# Altium PCB GPS_MODULE_ZED-F9T.PcbDoc (continued)
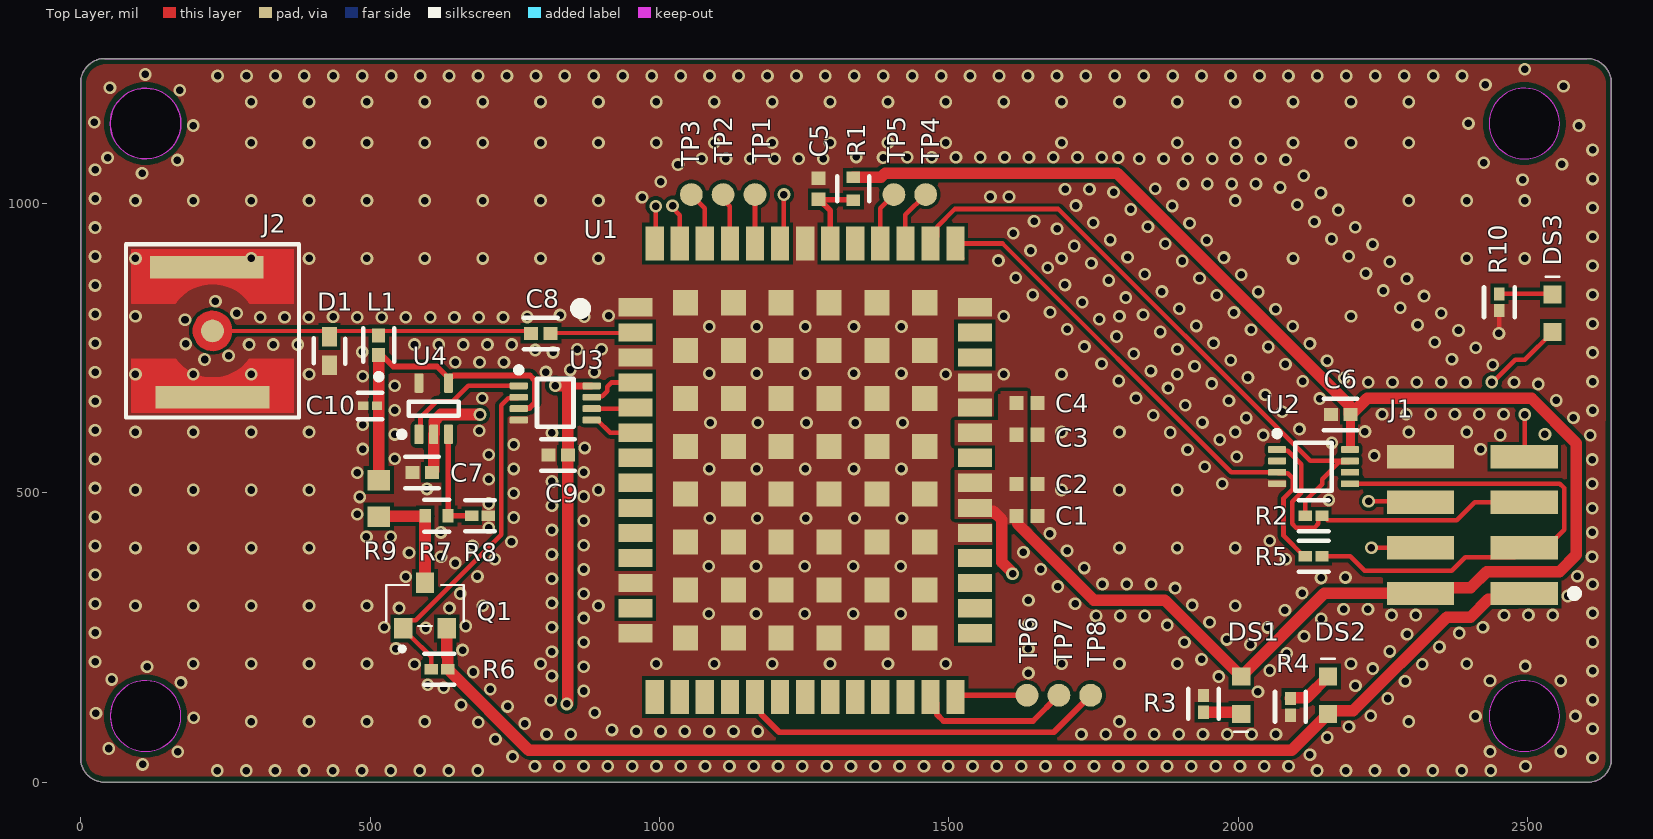
[diagram p0: Top Layer view]
## Part data (continued)
L1: library part CMP-06042-015783-1, "Multilayer type RF Inductor 47nH ±5% 0.72Ω 300mA 0402", Case Code (Imperial)=0402, Case Code (Metric)=1005, Current Rating=200mA, DC Resistance (DCR)=720mR, Inductance=47nH, Max Operating Temperature=125°C, Min Operating Temperature=-55°C, Package Quantity=1, Self Resonant Frequency=1GHz, Test Frequency=100MHz, Tolerance=5%, Case/Package=0402, Core Material=Air, DC Current=200mA, Depth=0.55mm, Height=0.5mm, Height - Seated (Max)=0.022inch, Lead Free="Lead Free", Length=1mm, Max DC Current=200mA, Military Standard=Not, Mount="Surface Mount", Packaging="Tape and Reel", Q Factor=8, Radiation Hardening=No, Rated Current-Max=200mA, Series=LQG15HS, Shielding=Unshielded, Termination=SMD/SMT, Width=0.02inch
Q1: library part XQR-CMP-00012-1, "MOSFET, P-CH, 8VDS, 3.7A ID, 0.052 OHM RDS(ON)@4.5VGS/3.5A, SOT-23-3", Case/Package="TO-236-3, SC-59, SOT-23-3", Current - Continuous Drain (Id) @ 25°C="3.7A (Ta)", Drain to Source Voltage (Vdss)="8 V", Drive Voltage (Max Rds On, Min Rds On)="1.8V, 4.5V", Input Capacitance (Ciss) (Max) @ Vds="1173 pF @ 4 V", Internal Part Number=839-00735-00, Manufacturer=onsemi, Manufacturer Part Number=NTR2101PT1G, Max Operating Temperature=150°C, Min Operating Temperature=-55°C, Power Dissipation (Max)="960mW (Ta)", Supplier Part Number 1=NTR2101PT1GOSCT-ND, CATEGORY="FETs, MOSFETs - Single", Datasheet URL=https://www.digikey.com/en/products/detail/onsemi/ntr2101pt1g/687095, FET Type=P-Channel, Mounting Type="Surface Mount", Rds On (Max) @ Id, Vgs="52mOhm @ 3.5A, 4.5V", RoHS=Yes, Supplier 1=Digikey, Technology="MOSFET (Metal Oxide)"
R1 R7: library part CMP-26527-000026-1, "1kΩ ±1% 0.063W 0402 Thick Film Chip Resistor AEC-Q200 compliant", Case Code (Imperial)=0402, Case Code (Metric)=1005, Max Operating Temperature=155°C, Max Power Dissipation=63mW, Min Operating Temperature=-55°C, Resistance=1kR, Resistor Type="Thick Film", Temperature Coefficient=100ppm/°C, Tolerance=1%, Case/Package=0402, Construction=Rectangular, Contact Plating=Tin, Depth=0.5mm, Features="Automotive AEC-Q200", Height=0.016inch, Lead Free="Lead Free", Length=1mm, Military Standard=Not, Mount="Surface Mount", Number of Terminations=2, Packaging="Tape and Reel", Power Rating=63mW, Radiation Hardening=No, RoHS Compliant=Yes, Series=RMCF, Size Code=0402, Width=0.02inch
R2 R3 R4 R5 R10: library part CMP-26527-000128-1, "10kΩ ±1% 0.063W 0402 Thick Film Chip Resistor AEC-Q200 compliant", Case Code (Imperial)=0402, Case Code (Metric)=1005, Max Operating Temperature=155°C, Max Power Dissipation=63mW, Min Operating Temperature=-55°C, Power Rating=62.5mW, Resistance=10kR, Resistor Type="Thick Film", Temperature Coefficient=100ppm/°C, Tolerance=1%, Case/Package=0402, Construction=Rectangular, Contact Plating=Tin, Depth=0.5mm, Features="Automotive AEC-Q200", Height=0.016inch, Lead Free="Lead Free", Length=1mm, Military Standard=Not, Mount="Surface Mount", Number of Terminations=2, Packaging="Tape and Reel", Radiation Hardening=No, RoHS Compliant=Yes, Series=RMCF, Size Code=0402, Width=0.02inch
R6 R8: library part CMP-2000-06984-2, "100kΩ ±1% 0.063W 0402 Thick Film Chip Resistor AEC-Q200 compliant", Case Code (Imperial)=0402, Case Code (Metric)=1005, Max Operating Temperature=155°C, Max Power Dissipation=63mW, Min Operating Temperature=-55°C, Power Rating=62.5mW, Resistance=100kR, Resistor Type="Thick Film", Temperature Coefficient=100ppm/°C, Tolerance=1%, Case/Package=0402, Construction=Rectangular, Contact Plating=Tin, Depth=0.5mm, Features="Automotive AEC-Q200", Height=0.016inch, Lead Free="Lead Free", Length=1mm, Military Standard=Not, Mount="Surface Mount", Number of Terminations=2, Packaging="Tape and Reel", Radiation Hardening=No, RoHS Compliant=Yes, Series=RMCF, Size Code=0402, Width=0.02inch
R9: library part RES-CMP-00725-3, "RES, 25 OHM, 2%, 1.5W, 150PPM/C, 0603", Case/Package="0603 (1608 Metric)", Internal Part Number=822-00198-00, Manufacturer=Vishay, Manufacturer Part Number=RCP0603W25R0GEB, Max Operating Temperature=155°C, Min Operating Temperature=-65°C, Power (Watts)=1.5W, Resistance=25, Supplier Part Number 1=541-2654-1-ND, Temperature Coefficient=±150ppm/°C, Tolerance=±2%, CATEGORY="Chip Resistor - Surface Mount", Composition="Thick Film", Datasheet URL=https://www.digikey.com/en/products/detail/vishay-dale/RCP0603W25R0GEB/5481868?s=N4IgTCBcDaIEoGEAKAGAbCgzAdTAVjhQHEBRAIRAF0BfIA, Features="Moisture Resistant", Height="0.023\" (0.58mm)", RoHS=Yes, Series=RCP, Size / Dimension="0.063\" L x 0.032\" W (1.60mm x 0.81mm)", Supplier 1=Digikey
TP1 TP2 TP3 TP4 TP5 TP6 TP7 TP8: library part TPS-CMP-00004-3, "TEST POINT, PC, SMT, 1.00MM DIA", CATEGORY="Test Points", Mounting Type="1.00mm Dia Pad", Size / Dimension="1.00mm Dia Pad", Type="PC Test Point, Surface Mount"
U1: library part GPS_ZED-F9T, "Multi-band GNSS Receiver with Nanosecond-level Timing Accuracy", Case/Package=SMD/SMT, Manufacturer=u-blox, Max Operating Temperature=85°C, Min Operating Temperature=-40°C, Supplier Part Number 1=672-1197-1-ND, CATEGORY="RF Receivers, Transceivers", ComponentLink1Description=https://www.u-blox.com/sites/default/files/ZED-F9T_ProductSummary_%28UBX-18011626%29.pdf?src-supplier=Digi-Key, ComponentLink1URL=https://www.u-blox.com/sites/default/files/ZED-F9T_ProductSummary_%28UBX-18011626%29.pdf?src-supplier=Digi-Key, Interface=I2C,SPI,USB,UART, Manufacturer Part Number=ZED-F9T-00B, Packaging="Tape and Reel", Pricing 1="1=199.00000, 10=198.80000, 50=180.89020 (USD)", RoHS=Yes, Sensitivity=-166dBm, Stock 1=826, Supplier 1=Digi-Key
U2 U3: library part CMP-0859-00615-3, "Triple Buffer/Driver With Open-Drain Output, DCU0008A, LARGE T&R", F @ Nom Voltage(Max)(Mhz)=150, Generic Part Number=SN74LVC3G07, ICC @ Nom Voltage(Max)(mA)=0.01, Manufacturer="Texas Instruments", Operating Temperature Range(C)="-40 to 125,-40 to 85", Rating=Catalog, tpd @ Nom Voltage(Max)(ns)=8.3,4.8,4.2,3.4, Voltage(Nom)(V)=1.8,2.5,3.3,5, 3-State Output=No, Bits(#)=3, DatasheetVersion=SCES365K, Input Type=CMOS/TTL, Logic=True, Output Drive (IOL/IOH)(Max)(mA)=32/-32, Output Type=CMOS, PackageReference=DCU0008A, Schmitt Trigger=No, Sub-Family="Non-Inverting Buffer/Driver", Technology Family=LVC, VCC(Max)(V)=5.5, VCC(Min)(V)=1.65
U4: library part CMP-0055-01065-3, "micropower Rail-to-Rail Input and Output Operational Amplifier, 5-pin SC-70, Pb-Free", Manufacturer="Texas Instruments", Package Reference=DCK0005A, PackageTopMarking=A91*XTT, PowerWise=Y, Code_IPC=SOT353-5, Code_JEDEC=MO-203-AA, Code_JEITA=SC-88A, ComponentLink1Description="Datasheet URL", ComponentLink1URL=http://www.ti.com/general/docs/lit/getliterature.tsp?genericPartNumber=LPV511&fileType=pdf, CompType=Amplifiers, PackageDescription="Molded SC-70, 2 x 1.25 x .9mm, 5 Lead, 0.65mm Pitch", PinCount=5, RoHS=Y

## Via types
v1: diameter 22, hole 13, Top Layer to Bottom Layer, tented both sides, 698 vias
v2: diameter 22, hole 13, Top Layer to Bottom Layer, 1 vias

## Nets (pads, with @x,y where several pads share a name; then routed paths per layer and width w, separated by ;. In a path a pad name is that pad's centre, name@x,y a point inside that pad or via, vN(x,y) a via of type N, cw(c..) or ccw(c..) an arc to the next point about the centre after c; other vN are vias at no path point)
ANT_DET: U1.4 U3.7 | length 90.5
  Top Layer w8: U3.7 884.9,666.75 901.28,666.75 909.74,675.21 909.74,683.12 916.86,690.24 U1.4
ANT_OFF: U1.5 U3.6 | length 76.1
  Top Layer w8: U3.6 956.61,645.16 U1.5
ANT_SHORT_N: U1.6 U3.5 | length 84.4
  Top Layer w8: U3.5 892.83,625.47 914.69,603.62 U1.6
GND: C1.2 C2.2 C3.2 C4.2 C5.2 C6.2 C7.2 C9.2 C10.2 D1.1 J1.8 J2.2 J2.3 R3.1 R4.1 R8.1 R10.1 U1.1 U1.3 U1.12 U1.14 U1.32 U1.37 U1.38 U1.41 U1.48 U1.55 U2.4 U3.4 U4.5 | length 39.6
  Top Layer w8: v1@2451,775 R10.1
  other v1: 236,20 286,20 336,20 386,20 436,20 486,20 536,20 586,20 636,20 686,20 2136,20 2186,20 2236,20 2286,20 2336,20 2386,20 2436,20 784.86,27.47 826.86,27.47 868.86,27.47 910.86,27.47 952.86,27.47 994.86,27.47 1036.86,27.47 1078.86,27.47 1120.86,27.47 1162.86,27.47 1204.86,27.47 1246.86,27.47 1288.86,27.47 1330.86,27.47 1372.86,27.47 1414.86,27.47 1456.86,27.47 1498.86,27.47 1540.86,27.47 1582.86,27.47 1624.86,27.47 1666.86,27.47 1708.86,27.47 1750.86,27.47 1792.86,27.47 1834.86,27.47 1876.86,27.47 1918.86,27.47 1960.86,27.47 2002.86,27.47 2044.86,27.47 2086.86,27.47 2496.13,27.58 107.13,30.58 2612,42 746.31,44.15 2123.82,47.41 167.96,52.57 2434.99,52.8 2557.2,52.99 48.57,58.04 716.61,73.85 2153.52,77.11 804.93,82.53 846.93,82.53 1728.93,82.53 1770.93,82.53 1812.93,82.53 1854.93,82.53 1896.93,82.53 1938.93,82.53 1980.93,82.53 2022.93,82.53 2064.93,82.53 959.93,87.53 1001.93,87.53 1043.93,87.53 1085.93,87.53 1127.93,87.53 1169.93,87.53 918.02,90.17 2612,92 2191.16,95.74 767.25,101.08 686.91,103.55 294.67,104.59 394.67,104.59 494.67,104.59 594.67,104.59 1794.67,104.59 2294.67,104.59 195.42,111.13 2409.58,113.87 2228.64,114.71 2582.42,114.13 26.58,118.87 888.32,119.87 737.55,130.77 657.22,133.24 812.38,141.35 2612,142 2258.34,144.4 2033.99,155.95 869.4,157.37 707.85,160.47 627.52,162.94 2202.43,166.37 599.78,168.37 173.43,171.96 2288.03,174.1 2434.8,175.01 2557.01,175.2 54.04,177.43 1966.32,182.23 814.34,183.31 1637.53,188.28 678.15,190.17 2612,192 2054.22,192.76 2232.13,196.06 114.87,199.42 869.4,199.37 2495.87,200.42 576.84,203.55 2317.73,203.8 194.67,204.59 294.67,204.59 394.67,204.59 494.67,204.59 794.67,204.59 994.67,204.59 1094.67,204.59 1194.67,204.59 1294.67,204.59 1394.67,204.59 1494.67,204.59 1694.67,204.59 1794.67,204.59 1894.67,204.59 2194.67,204.59 2394.67,204.59 25,208 1936.62,211.93 2083.91,222.46 814.34,225.31 2261.83,225.76 659.93,228.01 544.69,230.58 1637.53,230.28 2347.43,233.5 2021.09,237.5 869.4,241.37 1906.92,241.63 2612,242 1980.04,246.37 2113.61,252.16 2291.53,255.46 25,258 2381.92,257.47 596.5,266.22 524.52,267.42 814.34,267.31 2050.79,267.2 2422.68,267.61 665.48,269.64 1877.22,271.33 1637.53,272.28 1950.34,276.07 2143.31,281.86 869.4,283.37 1754.24,286.96 1796.24,286.96 1838.24,286.96 2264.71,288.57 2306.71,288.57 2459.18,288.38 2501.18,288.57 2543.18,288.57 1085,291 1167,291 1251,291 1335,291 1417,291 2612,292 2080.49,296.9 2181.89,298.46 2223.89,298.46 550.16,300.68 637.18,300.68 94.67,304.59 194.67,304.59 294.67,304.59 394.67,304.59 494.67,304.59 694.67,304.59 894.67,304.59 1994.67,304.59 1920.64,305.77 25,308 1717.97,308.15 814.34,309.31 1637.53,314.28 2569.3,321.46 655.9,325.61 869.4,325.37 2110.19,326.6 1890.71,335.23 1688.27,337.85 1765.26,342.02 1807.26,342.02 1849.26,342.02 2612,342 814.34,351.31 2143.04,352.77 2185.03,353.51 561.92,354.52 685.6,355.31 2585.94,355.64 25,358 869.4,367.37 1658.58,367.55 1733.96,370.02 1085,373 1167,373 1251,373 1335,373 1417,373 647.37,378.36 715.3,385.01 2081.92,385.14 622.53,389.21 2611.16,389.22 814.34,393.31 567.47,396.15 1628.88,397.24 1704.26,399.72 94.67,404.59 194.67,404.59 294.67,404.59 394.67,404.59 1794.67,404.59 1894.67,404.59 1994.67,404.59 25,408 677.07,408.06 869.4,409.37 744.42,415.27 2054.22,416.71 493.73,423.77 535.73,423.66 1674.56,429.42 622.53,431.21 2611.5,431.22 814.34,435.31 705.17,439.27 869.4,451.37 1087,456 1169,456 1253,456 1337,456 1419,456 748.49,457.07 25,458 477.98,462.7 2611.5,473.22 814.34,477.31 705.17,481.27 2156.13,487.47 482.37,492.55 869.4,493.37 748.49,499.07 94.67,504.59 194.67,504.59 294.67,504.59 394.67,504.59 894.67,504.59 1694.67,504.59 1794.67,504.59 1894.67,504.59 598.41,506.4 25,508 1972.17,515.27 2611.5,515.22 814.34,519.31 705.17,523.27 477.98,534.32 869.4,535.37 748.49,541.07 1086,541 1168,541 1252,541 1336,541 1418,541 1942.05,544.54 25,558 2611.5,557.22 542.53,558.59 1997.52,561.88 2235,564 705.17,565.27 1912.35,574.24 2418.49,574.84 487.47,575.23 871.11,577.33 748.49,583.07 2161.38,585.86 1967.82,591.58 2607.84,599.06 2043.3,599.43 2452.41,599.62 542.53,600.59 2529.7,600.96 814.34,603.22 1882.66,603.94 94.67,604.59 194.67,604.59 294.67,604.59 394.67,604.59 1694.67,604.59 1794.67,604.59 1994.67,604.59 2294.67,604.59 2394.67,604.59 2218.73,605.63 688.6,606.78 25,608 2105.67,609.87 487.47,617.23 1088,621 1170,621 1254,621 1338,621 1420,621 1938.12,621.28 2013.6,629.13 2578.97,629.56 1852.96,633.64 2248.28,635.47 2290.28,635.47 2332.28,635.47 2374.28,635.47 2416.28,635.47 2458.28,635.47 2075.97,639.57 2612,642 542.53,642.59 1908.42,650.98 25,658 1983.9,658.83 2549.27,659.26 2140.88,662.62 693.67,663.16 1823.26,663.34 2046.27,669.26 1878.73,680.68 542.53,684.59 2518.27,687.6 1954.2,688.53 2224.38,690.53 2266.38,690.53 2308.38,690.53 2350.38,690.53 2392.38,690.53 2476.38,690.53 2612,692 1793.56,693.04 2111.18,692.31 2016.57,698.96 2183.1,698.26 487.47,701.19 94.67,704.59 194.67,704.59 294.67,704.59 394.67,704.59 1494.67,704.59 1594.67,704.59 1694.67,704.59 1894.67,704.59 1086,706 1168,706 1252,706 1336,706 1418,706 25,708 887.64,707.93 804,708.38 1849.03,710.38 845.84,711.99 1924.5,718.22 2439.79,720.85 2081.48,722.01 1763.86,722.73 647.29,725.18 689.29,725.18 731.29,725.18 2153.4,727.96 1986.87,728.66 214.13,730.05 2369.05,730.32 255.66,736.31 1819.33,740.07 2612,742 816.26,742.32 486.4,743.17 785.66,746.4 857.9,747.76 899.9,747.76 1894.81,747.92 2410.09,750.55 2051.78,751.71 1734.16,752.43 291.04,755.91 333.04,755.91 375.04,755.91 576.85,755.91 618.85,755.91 660.85,755.91 702.85,755.91 744.85,755.91 181.79,756.84 25,758 2123.7,757.66 1957.18,758.36 2339.35,760.02 1789.63,769.77 2450.18,775 1865.11,777.62 2380.39,780.24 2022.08,781.41 1704.47,782.13 1086,787 1168,787 1252,787 1336,787 1418,787 1927.48,788.06 2094,787.36 2309.65,789.72 2612,792 180.38,798.82 1759.93,799.47 310.36,803.15 352.36,803.15 394.36,803.15 436.21,803.67 478.06,803.15 520.05,803.15 561.87,803.15 603.87,803.15 645.87,803.15 687.87,803.15 729.87,803.15 771.42,803.6 870.18,804.09 94.67,804.59 1594.67,804.59 1794.67,804.59 2194.67,804.59 912.16,805.41 828.27,806.83 25,808 1835.41,807.32 269.49,809.77 2350.69,809.94 1674.77,811.83 1992.38,811.11 2064.3,817.05 1897.78,817.76 2279.95,819.41 1730.23,829.17 232.98,830.53 1805.71,837.02 2320.99,839.64 1962.69,840.81 1645.07,841.53 2612,842 2034.6,846.75 1868.08,847.45 2250.25,849.11 25,858 1700.53,858.87 1776.01,866.72 2291.3,869.34 1932.99,870.51 1615.37,871.23 2004.9,876.45 1838.38,877.15 2220.55,878.81 1670.84,888.57 2612,892 1746.31,896.42 2261.6,899.04 1585.67,900.93 1903.29,900.2 94.67,904.59 294.67,904.59 394.67,904.59 494.67,904.59 594.67,904.59 694.67,904.59 794.67,904.59 894.67,904.59 1694.67,904.59 2094.67,904.59 2394.67,904.59 2494.67,904.59 1808.68,906.85 1975.21,906.15 25,908 2190.85,908.51 1641.14,918.27 1716.61,926.11 2231.9,928.74 1873.59,929.9 1945.51,935.85 1778.99,936.55 2161.16,938.21 2612,942 1611.44,947.96 1686.92,955.81 25,958 2202.2,958.44 1843.89,959.6 1915.81,965.55 1749.29,966.25 2131.46,967.91 1647.13,969 2172.5,988.13 1814.19,989.3 2612,992 1719.59,995.95 1886.11,995.25 2101.76,997.61 94.67,1004.59 194.67,1004.59 294.67,1004.59 394.67,1004.59 494.67,1004.59 594.67,1004.59 694.67,1004.59 794.67,1004.59 894.67,1004.59 1994.67,1004.59 2294.67,1004.59 2394.67,1004.59 2494.67,1004.59 25,1008 969.91,1010.38 1571.88,1011.26 1603.88,1011.26 2142.8,1017.83 1784.49,1019 1700.81,1024.16 1742.81,1024.16 1856.41,1024.94 2072.06,1027.3 1904.5,1033.34 1946.5,1033.34 1988.5,1033.34 2030.5,1033.34 1002.36,1037.04 2491.13,1040.58 2612,1042 2113.1,1047.53 106.13,1051.58 25,1058 1032.06,1066.73 2559.15,1067.21 2424.21,1069.85 167.37,1074.57 2081.63,1075.34 1072.87,1076.66 1114.87,1076.66 1156.87,1076.66 1198.87,1076.66 1240.87,1076.66 1282.87,1076.66 1828.87,1076.66 1870.87,1076.66 1912.87,1076.66 1954.87,1076.66 1996.87,1076.66 2038.87,1076.66 46.57,1078.63 1386.23,1078.84 1792.41,1078.88 1340,1080 1428.23,1079.21 1470.23,1079.21 1512.23,1079.21 1554.23,1079.21 1596.23,1079.21 1638.23,1079.21 1680.23,1079.21 1722.23,1079.21 1764.23,1079.21 2612,1092 294.67,1104.59 394.67,1104.59 494.67,1104.59 594.67,1104.59 694.67,1104.59 794.67,1104.59 894.67,1104.59 994.67,1104.59 1094.67,1104.59 1194.67,1104.59 1294.67,1104.59 1394.67,1104.59 1494.67,1104.59 1694.67,1104.59 1894.67,1104.59 1994.67,1104.59 2094.67,1104.59 2194.67,1104.59 2294.67,1104.59 194.42,1134.13 2588.42,1134.13 2397.58,1137.87 23.58,1139.87 294.67,1175 394.67,1175 494.67,1175 594.67,1175 694.67,1175 794.67,1175 894.67,1175 994.67,1175 1094.67,1175 1194.67,1175 1294.67,1175 1394.67,1175 1494.67,1175 1594.67,1175 1694.67,1175 1794.67,1175 1894.67,1175 1994.67,1175 2094.67,1175 2194.67,1175 2294.67,1175 171.43,1195.37 50.63,1199.43 2561.79,1202.15 2426.85,1204.79 236.61,1220 286.61,1220 336.61,1220 386.61,1220 436.61,1220 486.61,1220 536.61,1220 586.61,1220 636.61,1220 686.61,1220 736.61,1220 786.61,1220 836.61,1220 886.61,1220 936.61,1220 986.61,1220 1036.61,1220 1086.61,1220 1136.61,1220 1186.61,1220 1236.61,1220 1286.61,1220 1336.61,1220 1386.61,1220 1436.61,1220 1486.61,1220 1536.61,1220 1586.61,1220 1636.61,1220 1686.61,1220 1736.61,1220 1786.61,1220 1836.61,1220 1886.61,1220 1936.61,1220 1986.61,1220 2036.61,1220 2086.61,1220 2136.61,1220 2186.61,1220 2236.61,1220 2286.61,1220 2336.61,1220 2386.61,1220 111.87,1222.42 2494.87,1231.42
NetC5_1: C5.1 R1.1 U1.47 | length 144.2
  Top Layer w10: C5.1 1275.79,1006.1 C5.1@1276.18,1006.1 ; U1.47 1295,987.28 C5.1@1276.18,1006.1 ; R1.1 1334.21,1006.1 C5.1@1276.18,1006.1
NetC10_1: C10.1 L1.1 R9.2 U3.3 U4.4 | length 588.4
  Top Layer w10: L1.1@515,743.13 515,742.28 521.27,736.01 522.11,736.01 540.1,718.02 615.72,718.02 U4.4@635.59,698.15 ; U4.4 U4.4@635.59,698.15 ; U3.3 757.91,646.06 775.71,646.06 784.76,655.11 784.76,694.26 776.58,702.43 644.32,702.43 642.91,701.02 638.46,701.02 U4.4@635.59,698.15
  Top Layer w20: R9.2 515,650 L1.1@515,736.01
NetDS1_K: DS1.K R3.2 | length 65.6
  Top Layer w20: R3.2@1940.7,120.65 2001.87,120.65 DS1.K
NetDS2_K: DS2.K R4.2 | length 81.2
  Top Layer w20: R4.2 2090,145.13 2090.7,145.83 2118.35,145.83 DS2.K
NetDS3_K: DS3.K R10.2 | length 92.4
  Top Layer w8: R10.2 2542.09,843.39 DS3.K
NetQ1_1: Q1.1 R6.1 U3.2 | length 588
  Top Layer w8: R6.1 605.61,216.3 570,251.91 569.35,251.91 557.6,263.66 Q1.1 557.6,267.6 569.35,279.35 579,279.35 726.83,427.18 726.83,651.05 738.72,662.94 755.1,662.94 U3.2
NetQ1_3: Q1.3 R7.2 R9.1 | length 195.9
  Top Layer w20: R9.1 515.75,459.25 595.16,459.25 595.32,459.41 595.32,458.35 595,458.03 Q1.3
NetR7_1: R7.1 R8.2 U4.3 | length 182
  Top Layer w10: R7.1 R7.1@635.59,460 ; U4.3 635.14,600.26 635.14,460.45 R7.1@635.59,460 ; R8.2 R7.1@635.59,460
NetTP1_1: TP1.1 U1.50 | length 84.6
  Top Layer w8: TP1.1 1165,930.47 U1.50
NetTP2_1: TP2.1 U1.51 | length 89.5
  Top Layer w8: TP2.1 1110,1006.51 1121.77,994.74 U1.51
NetTP3_1: TP3.1 U1.52 | length 94.3
  Top Layer w8: TP3.1 1078.46,991.54 U1.52
NetTP4_1: TP4.1 U1.44 | length 99.1
  Top Layer w8: U1.44 1424.92,979.92 TP4.1
NetTP5_1: TP5.1 U1.45 | length 94.3
  Top Layer w8: U1.45 1381.61,991.61 TP5.1
NetTP6_1: TP6.1 U1.27 | length 138.5
  Top Layer w10: U1.27@1511.54,160.71 U1.27 1514.61,150 TP6.1
NetTP7_1: TP7.1 U1.26 | length 268.5
  Top Layer w10: U1.26 1478.98,136.18 1478.98,117.24 1490.82,105.4 1645.4,105.4 TP7.1
NetTP8_1: TP8.1 U1.19 | length 642.8
  Top Layer w10: U1.19 1165.08,133.15 1175.83,122.4 1175.83,117.24 1207.07,86 1681,86 TP8.1
NetU3_1: U3.1 U4.1 | length 222.6
  Top Layer w8: U4.1 587.13,603.43 587.13,629.44 615.25,657.56 642.87,657.56 669.84,684.53 U3.1
RF_ANT: C8.2 D1.2 J2.1 L1.2 | length 552
  Top Layer w7: J2.1 C8.2@773.6,779.53
  Top Layer w13.24: C8.2@773.6,779.53 C8.2
RF_IN: C8.1 U1.2 | length 148
  Top Layer w5.83: U1.2@956.54,775 U1.2@957.46,775.93
  Top Layer w7: C8.1@812.8,775.93 U1.2@955.61,775.93
  Top Layer w13.24: C8.1 C8.1@812.8,775.93 ; U1.2@955.61,775.93 U1.2@956.54,775 ; U1.2@957.46,775.93 U1.2
RST: J1.4 U1.49 | length 1439.9
  Top Layer w8: U1.49 1215,937.01 v1(1215,1015) ; v1@2230.14,404.86 J1.4@2314.63,404.86
  Top Layer w20: v1(2230,405) v1@2230.14,404.86 ; J1.4@2314.63,404.86 J1.4
  Int2 (GND) w8: v1(1215,1015) 1510,1015 2120,405 v1(2230,405)
RXD: R2.1 U1.43 U2.7 | length 1076.5
  Top Layer w8: U1.43 1479.98,942.14 1479.98,959.67 1510.31,990 1689.13,990 2124.29,554.84 2174.7,554.84 U2.7 2191.09,552.94 2174.7,552.94 2144.72,522.95 2144.72,514.69 2115.61,485.58 R2.1
RXD_IN: J1.5 R2.2 U2.1 | length 594.6
  Top Layer w8: U2.1 2068.91,572.62 2085.3,572.62 2108.76,549.16 2108.76,499.94 2093.17,484.35 2093.17,446.14 2099.61,439.7 2131.6,439.7 2138.05,446.14 2138.05,454.7 2143.35,460 R2.2 2146.53,460 2154.14,452.39 2377.39,452.39 2408.47,483.46 J1.5
TP1: J1.6 U1.53 | length 1608.9
  Top Layer w8: v1(1022.69,995.61) 1022.69,991.82 1035.16,979.35 U1.53 ; v1(2225,485) 2313.23,485 J1.6
  Int2 (GND) w8: v1(1022.69,995.61) 1064.07,1037 1643,1037 2195,485 v1(2225,485)
TP2: DS3.A J1.7 U1.54 | length 1981.2
  Top Layer w8: U1.54 993.69,932.24 v1(993.69,994.97) ; v1(2438,691) 2439.64,691 2478.36,729.73 2495.21,729.73 DS3.A ; J1.7 2495,563.31 v1(2495,635)
  Int2 (GND) w8: v1(993.69,994.97) 993.69,997.73 1050.96,1055 2075,1055 v1(2495,635)
TXD: R5.2 U1.42 U2.3 | length 938.6
  Top Layer w8: U1.42@1523.28,904.87 1511.54,916.61 U1.42 1592.61,930.39 1987.84,535.16 U2.3 2068.91,533.25 2085.3,533.25 2093.76,524.79 2093.76,506.15 2078.17,490.57 2078.17,425.3 2113.47,390 R5.2
TXD_OUT: J1.3 R5.1 U2.5 | length 903.6
  Top Layer w8: R5.1 2193.11,390 2218.11,365 2368.75,365 2392.39,388.65 2477.82,388.65 J1.3 2531.89,404.72 2562.97,435.8 2562.97,508.1 2555.6,515.47 U2.5
VCC: C1.1 C2.1 C3.1 C4.1 C6.1 C7.1 C9.1 DS1.A J1.2 R1.2 U1.33 U1.34 U1.36 U2.8 U3.8 U4.2 | length 5095.7
  Top Layer w10: 834.06,684.53 841.87,684.53
  Top Layer w12: 841.87,684.53 U3.8
  Top Layer w15: U2.8@2193.75,579.59 C6.1@2193.75,634.62
  Top Layer w20: C7.1 607.72,535 608.99,536.27 608.99,537.11 610,538.13 U4.2 610.72,601.43 610.72,623.33 622.39,635 v1(690,635) ; v2(820,685) 841.4,685 841.87,684.53 841.87,591.25 842.09,591.03 842.09,565.22 C9.1 v1@841.87,135 ; R1.2 1382.8,1044.68 1389.8,1051.69 1790.74,1051.69 2191.63,650.79 2191.63,636.27 2192.9,635 C6.1 ; U1.33 1550.75,467.95 1576.76,467.95 1591.7,453.01 1591.7,379.84 1610,361.54 v1(1610,360) ; C1.1 1618.7,458.19 1618.7,446.35 1750.56,314.49 1872.99,314.49 DS1.A 2148.5,325.98 J1.2 2324.84,336.06 2401.79,336.06 2429.18,363.46 2554.83,363.46 2583.97,392.6 2583.97,585.63 2506.6,663 2222.59,663 2194.21,634.62 2193.75,634.62 C6.1@2193.37,634.62
  Int2 (GND) w20: v1(690,635) 770,635 v2(820,685) ; v1(840,135) 840,129.25 909.25,60 1590,60 1610,80 v1(1610,360)
VCC_ANT: DS2.A J1.1 Q1.2 R6.2 | length 2101.2
  Top Layer w20: Q1.2 632.4,217.91 634.05,216.27 634.05,195.34 774.39,55 2092.48,55 2149.25,111.77 DS2.A 2160.75,123.27 2198.27,123.27 2360,285 2401.14,285 2432.04,315.91 2483.82,315.91 J1.1
pads on no net: U1.7 U1.8 U1.9 U1.10 U1.11 U1.13 U1.15 U1.16 U1.17 U1.18 U1.20 U1.21 U1.22 U1.23 U1.24 U1.25 U1.28 U1.29 U1.30 U1.31 U1.35 U1.39 U1.40 U1.46 U2.2 U2.6

## Polygon pours and split planes (outlines as drawn)
no net on Top Solder "Top Solder-No Net" (solid, pour order 5): 2336.26,1050.51 ccw(c2410.59,1053.77) 2410.59,979.37 2632.72,979.37 2632.72,1210.74 ccw(c2602.68,1207.85) 2602.68,1238.03 2336.26,1238.03
no net on Top Solder "Top Solder-No Net" (solid, pour order 7): 11.85,40.34 ccw(c41.97,41.81) 41.97,11.65 269.33,11.65 269.33,220.51 ccw(c216.57,217.47) 216.57,270.32 11.85,270.32
no net on Top Solder "Top Solder-No Net" (solid): 2337.08,11.24 2337.08,203.95 cw(c2406.56,200.32) 2406.56,269.9 2633.53,269.9 2633.53,39.12 cw(c2603.26,41.62) 2603.26,11.24
no net on Top Solder "Top Solder-No Net" (solid, pour order 1): 11.85,979.37 11.85,1208.07 cw(c41.85,1208.03) 41.85,1238.03 269.33,1238.03 269.33,1062.24 cw(c177.52,1071.66) 177.52,979.37
no net on Bottom Solder "Bottom Solder-No Net" (solid, pour order 26): 2336.26,1050.51 ccw(c2410.59,1053.77) 2410.59,979.37 2632.72,979.37 2632.72,1210.74 ccw(c2602.68,1207.85) 2602.68,1238.03 2336.26,1238.03
no net on Bottom Solder "Bottom Solder-No Net" (solid, pour order 22): 2336.26,11.65 2336.26,204.37 cw(c2405.75,200.73) 2405.75,270.32 2632.72,270.32 2632.72,39.54 cw(c2602.44,42.03) 2602.44,11.65
no net on Bottom Solder "Bottom Solder-No Net" (solid, pour order 20): 11.85,40.34 ccw(c41.97,41.81) 41.97,11.65 269.33,11.65 269.33,220.51 ccw(c216.57,217.47) 216.57,270.32 11.85,270.32
no net on Bottom Solder "Bottom Solder-No Net" (solid, pour order 11): 11.85,979.37 11.85,1208.07 cw(c41.85,1208.03) 41.85,1238.03 269.33,1238.03 269.33,1062.24 cw(c177.52,1071.66) 177.52,979.37
GND on Top Layer "GND_L01_P034" (solid, remove dead copper, pour order 34): -20,1265 2660,1265 2660,-15 -20,-15
VCC on Top Layer "VCC_L01_P033" (solid, pour order 33): 1515,620 1585,620 1585,670 1630,670 1630,450 1646,434 1580,455.1 1515,455.1 1515,535 1580,535 1580,585 1515,585
VCC on Top Layer "VCC_L01_P031" (solid, pour order 31): 1510,530 1635,530 1635,675 1590,675 1590,625 1510,625
VCC on Top Layer "VCC_L01_P028" (solid, pour order 28): 1510,540 1635,540 1635,445 1590,445 1580,455 1510,455
GND on Bottom Layer "GND_L04_P027" (solid, remove dead copper, pour order 27): -20,1265 2660,1265 2660,-15 -20,-15
GND on Int1 (GND) "GND_L02_P029" (solid, remove dead copper, pour order 29): -20,1265 2660,1265 2660,-15 -20,-15
GND on Int2 (GND) "GND_L03_P030" (solid, remove dead copper, pour order 30): -20,1265 2660,1265 2660,-15 -20,-15

## Keep-outs
Keep-Out Layer:
  circle w0.5: c2494.13,114.02 r61.02
  circle w0.5: c112.24,114.02 r61.02
  circle w0.5: c2494.13,1137.64 r61.02
  circle w0.5: c112.24,1137.64 r61.02
  lines w0.5: -0.08,1207.72 cw(c42.09,1207.72) 42.05,1249.88 2602.13,1249.96 cw(c2602.13,1207.44) 2644.65,1207.48 2644.53,39.96 cw(c2604.41,39.96) 2604.45,-0.16 41.14,0 cw(c41.14,41.14) 0,41.14 -0.08,1207.72

## Silkscreen, mask and mechanical layers (free items; w line width, h text height)
Bottom Overlay:
  drawing of 233 lines, arcs and shapes, not listed
  text "Armando Pinales / Julian St. James / Alan Vannasy" at 2561,481 h30
Mechanical 1:
  circle w0.5: c112.24,1137.64 r61.02
  circle w0.5: c2494.13,114.02 r61.02
  circle w0.5: c112.24,114.02 r61.02
  circle w0.5: c2494.13,1137.64 r61.02
  lines w0.5: -14.92,0 41.14,0 ; 0,-10.08 0,41.14 ; 0,41.14 ccw(c41.14,41.14) 41.14,0 ; 0,41.14 -0.08,1207.72 cw(c42.09,1207.72) 42.05,1249.88 2602.13,1249.96 cw(c2602.13,1207.44) 2644.65,1207.48 2644.53,39.96 cw(c2604.41,39.96) 2604.45,-0.16 41.14,0 ; 11.85,40.34 ccw(c41.97,41.81) 41.97,11.65 269.33,11.65 269.33,220.51 ccw(c216.57,217.47) 216.57,270.31 11.85,270.32 11.85,40.34 ; 11.85,979.37 177.52,979.37 ccw(c177.52,1071.66) 269.33,1062.24 269.33,1238.03 41.85,1238.03 ccw(c41.85,1208.03) 11.85,1208.07 11.85,979.37 ; 2336.26,11.65 2336.26,204.37 cw(c2405.75,200.73) 2405.75,270.32 2632.72,270.32 2632.72,39.54 cw(c2602.44,42.03) 2602.44,11.65 2336.26,11.65 ; 2336.26,1050.51 ccw(c2410.59,1053.77) 2410.59,979.37 2632.72,979.37 2632.72,1210.74 ccw(c2602.68,1207.85) 2602.68,1238.03 2336.26,1238.03 2336.26,1050.51